# Altium PCB ROBOT_MOTHERBOARD.PcbDoc (part 2 of 2)
Units mil, origin at the board's own origin, x right, y up, seen from the top; angles counter-clockwise.
Board outline 4835 x 2350.29 mil, 4 copper layers (SIG1, GND, PWR, SIG2), stack 23.756 mil thick; 101 components, 56 nets, 379 pads, 652 vias.
Unrouted connection lines stored in the file: 10.
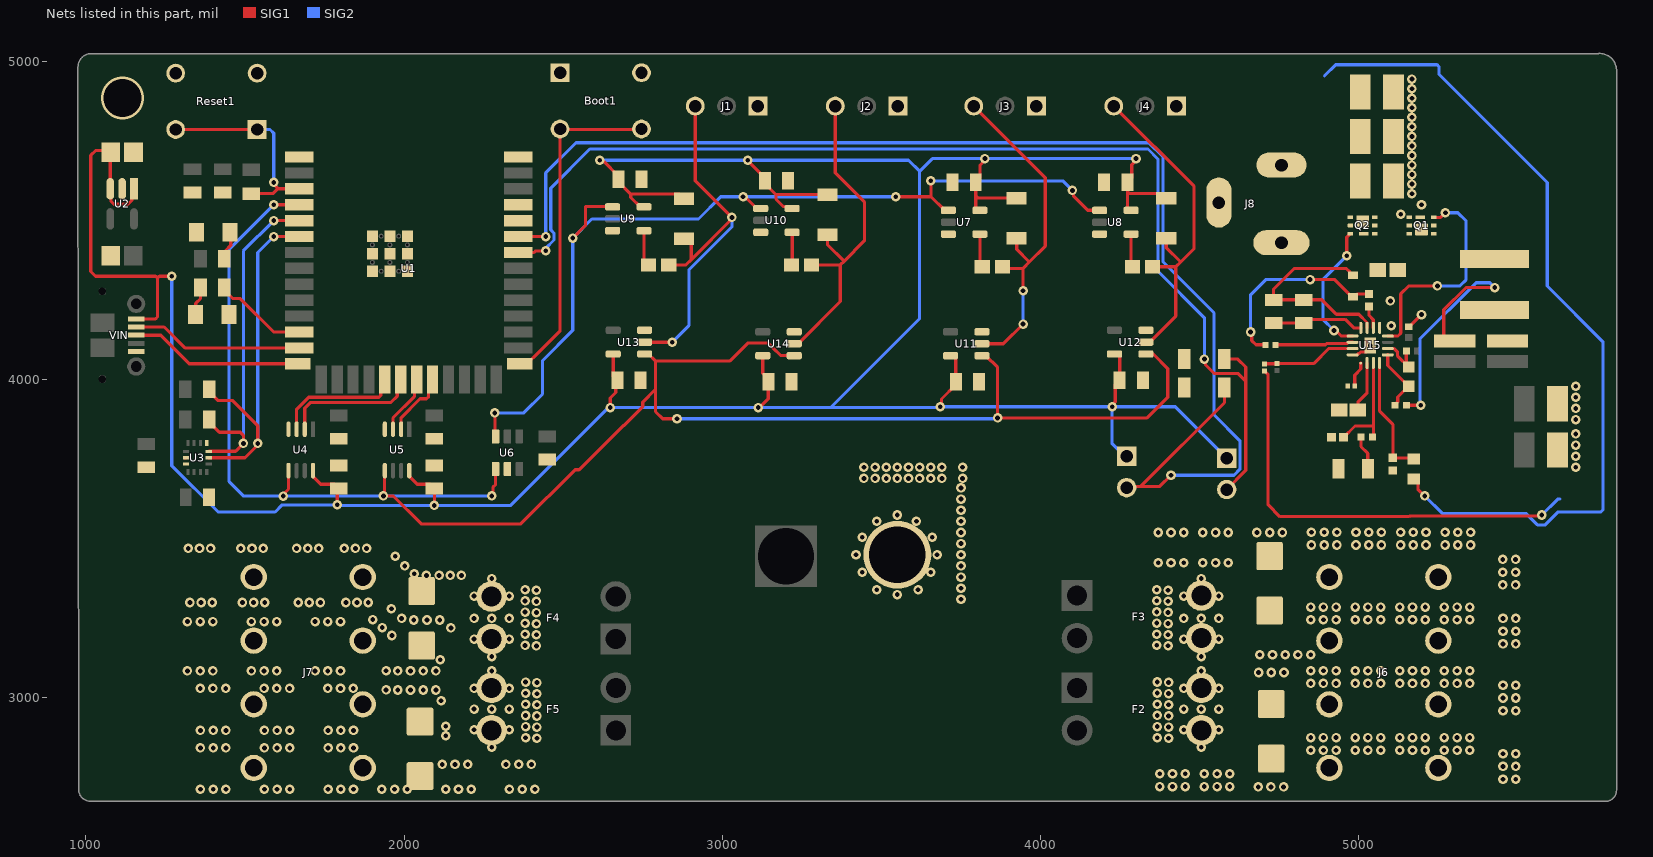
[diagram p4: the nets of this part, all layers, seen from the top]

## Via types
v1: diameter 30, hole 15, SIG1 to SIG2, 594 vias
v2: diameter 50, hole 28, SIG1 to SIG2, 54 vias
v3: diameter 135, hole 120, SIG1 to SIG2, 4 vias

## Nets (pads, with @x,y where several pads share a name; then routed paths per layer and width w, separated by ;. In a path a pad name is that pad's centre, name@x,y a point inside that pad or via, vN(x,y) a via of type N, cw(c..) or ccw(c..) an arc to the next point about the centre after c; other vN are vias at no path point) (continued)
11V1_F2: D2.1 F2.2 J6.1_1 J6.1_2
  other v1: 4683.88,2720.51 4723.88,2720.51 4763.88,2720.51 4374.64,2721.62 4414.64,2721.62 4454.64,2721.62 4514.64,2721.62 4554.64,2721.62 4594.64,2721.62 5453.32,2744.8 5493.32,2744.8 4374.64,2761.62 4414.64,2761.62 4454.64,2761.62 4514.64,2761.62 4554.64,2761.62 4594.64,2761.62 5453.32,2784.8 5493.32,2784.8 5453.32,2824.8 5493.32,2824.8 4848.88,2835.51 4888.88,2835.51 4928.88,2835.51 4988.88,2835.51 5028.88,2835.51 5068.88,2835.51 5128.88,2835.51 5168.88,2835.51 5208.88,2835.51 5268.88,2835.51 5308.88,2835.51 5348.88,2835.51 4505,2845 4402.24,2873.63 4366.54,2875.18 4848.88,2875.51 4888.88,2875.51 4928.88,2875.51 4988.88,2875.51 5028.88,2875.51 5068.88,2875.51 5128.88,2875.51 5168.88,2875.51 5208.88,2875.51 5268.88,2875.51 5308.88,2875.51 5348.88,2875.51 4450,2900 4560,2900 4402.24,2908.63 4366.54,2910.18 4402.24,2943.63 4366.54,2945.18 4450,2965 4505,2965 4560,2965 4402.24,2978.63 4366.54,2980.18 4402.24,3013.63 4366.54,3015.18 4450,3030 4560,3030 4402.24,3048.63 4366.54,3050.18 4505,3085
11V1_F3: D3.1 F3.2 J6.3_1 J6.3_2
  other v1: 4505,3130 4688.88,3135.51 4728.88,3135.51 4768.88,3135.51 4808.88,3135.51 4848.88,3135.51 4400.7,3163.76 4365,3165.32 5453.32,3169.8 5493.32,3169.8 4450,3185 4560,3185 4400.7,3198.76 4365,3200.32 5453.32,3209.8 5493.32,3209.8 4400.7,3233.76 4365,3235.32 4848.88,3245.51 4888.88,3245.51 4928.88,3245.51 4988.88,3245.51 5028.88,3245.51 5068.88,3245.51 5128.88,3245.51 5168.88,3245.51 5208.88,3245.51 5268.88,3245.51 5308.88,3245.51 5348.88,3245.51 4450,3250 4505,3250 4560,3250 5453.32,3249.8 5493.32,3249.8 4400.7,3268.76 4365,3270.32 4848.88,3285.51 4888.88,3285.51 4928.88,3285.51 4988.88,3285.51 5028.88,3285.51 5068.88,3285.51 5128.88,3285.51 5168.88,3285.51 5208.88,3285.51 5268.88,3285.51 5308.88,3285.51 5348.88,3285.51 4400.7,3303.76 4365,3305.32 4450,3320 4560,3320 4400.7,3338.76 4365,3340.32 4505,3375
11V1_F4: D4.1 F4.2 J7.1_1 J7.1_2
  other v1: 2275,3130 2415.7,3163.45 2380,3165 2220,3185 2330,3185 2415.7,3198.45 2380,3200 2146.93,3220 2415.7,3233.45 2380,3235 2030,3245 2071.93,3245 2111.93,3245 1991.93,3250 2220,3250 2275,3250 2330,3250 2415.7,3268.45 2380,3270 1960,3280 1326.93,3300 1361.93,3300 1396.93,3300 1491.93,3300 1526.93,3300 1561.93,3300 1666.93,3300 1701.93,3300 1736.93,3300 1816.93,3300 1851.93,3300 1886.93,3300 2415.7,3303.45 2380,3305 2220,3320 2330,3320 2415.7,3338.45 2380,3340 2275,3375 2070,3385 2110,3385 2145,3385 2180,3385 2031.93,3390 2001.93,3415 1971.93,3445 1321.93,3470 1356.93,3470 1391.93,3470 1486.93,3470 1521.93,3470 1556.93,3470 1661.93,3470 1696.93,3470 1731.93,3470 1811.93,3470 1846.93,3470 1881.93,3470
11V1_F5: D5.1 F5.2 J7.3_1 J7.3_2
  other v1: 2275,2845 2417.24,2873.32 2381.54,2874.87 2131.08,2880.96 1360,2897.8 1400,2897.8 1440,2897.8 1560.88,2897.94 1600.88,2897.94 1640.88,2897.94 1760.88,2897.94 1800.88,2897.94 1840.88,2897.94 2220,2900 2330,2900 2417.24,2908.32 2381.54,2909.87 2131.08,2910.96 2417.24,2943.32 2381.54,2944.87 2220,2965 2275,2965 2330,2965 2417.24,2978.32 2381.54,2979.87 2116.08,2990.96 2417.24,3013.32 2381.54,3014.87 1943.19,3025.19 1980,3025 2020,3025 2060,3025 2100,3025 1359.11,3029.86 1399.11,3029.86 1439.11,3029.86 1560,3030 1600,3030 1640,3030 1760,3030 1800,3030 1840,3030 2220,3030 2330,3030 2417.24,3048.32 2381.54,3049.87 2275,3085
19V: Cout1.1 Cout2.1 Cout3.1 J8.1 Q2.1 Q2.2 Q2.5 Q2.6 Q2.8 Rfbt.2 | length 2668.8
  SIG1 w10: Rfbt.2@5172.17,3688.23 5173.24,3688.23 5185.95,3675.51 5185.95,3655.94 v1(5207.17,3634.72)
  SIG2 w10: 4892.4,4954.96 4927.17,4989.72 5246.31,4989.72 5252.17,4983.87 5252.17,4959.72 5592.17,4619.72 5592.17,4294.72 5767.17,4119.72 5767.17,3590.58 5761.31,3584.72 5627.17,3584.72 5586.26,3543.82 5561.18,3543.82 5525,3580 5261.89,3580 v1(5207.17,3634.72)
+5: C3.2 C7.1 C8.1 C9.1 C10.1 C11.1 C12.1 C13.1 C14.1 C16.1 C18.1 J9.1 J10.1 R7.2 R9.2 R11.2 R13.2 U2.1 U2.3 U4.8 U5.8 U7.5 U8.5 U9.5 U10.5 U11.5 U12.5 U13.5 U14.5 VIN.1 | length 10580.6
  SIG1 w10: C3.2@1076.34,4715 U2.3@1076.34,4600 1078.74,4597.6 1078.74,4560.86 1088.2,4551.4 1132.09,4551.4 1144.02,4563.33 1144.02,4592.88 U2.1@1151.14,4600 ; C3.2@1078.31,4715 1068.31,4725 1063.31,4720 1030,4720 1015,4705 1015,4340 1030,4325 1219.14,4325 1225,4319.14 ; VIN.1@1168.15,4191.18 1219.14,4191.18 1225,4197.04 1225,4319.14 ; v1(1270,4325) 1230.86,4325 1225,4319.14 ; U4.8@1713.39,3714.42 1713.39,3696.34 1738.05,3671.68 1781.3,3671.68 C16.1@1795,3657.98 1790,3652.98 v1(1790,3606.81) ; U5.8@2016.18,3714.4 2016.18,3696.32 2040.82,3671.68 2081.3,3671.68 2100,3652.98 2095,3647.98 v1(2095,3605) ; v1(2615,4690) 2618.83,4686.17 2627.02,4686.17 2673.58,4639.61 C9.1@2673.58,4630.75 2673.58,4621.89 2712.05,4583.43 ; v1(2647.5,3912.5) 2647.5,3942.5 2665,3960 2665,3993.11 C13.1@2670.08,3998.19 2657.09,4011.18 U13.5@2657.09,4080.79 ; U9.5@2753.82,4543.15 2741.61,4543.15 2712.05,4572.72 2712.05,4583.43 ; R11.2@2880,4568.74 2865.31,4583.43 2712.05,4583.43 ; v1(3080,4690) 3080,4688.19 3133.58,4634.61 C10.1@3133.58,4625.75 3133.58,4616.89 3168.74,4581.73 ; v1(3112.5,3912.5) 3116.59,3912.5 3144.09,3940 3144.09,3992.2 C14.1@3145.08,3993.19 3145.08,4002.05 3127.09,4020.04 U14.5@3127.09,4075.79 ; U10.5@3219.41,4538.15 3213.36,4544.2 3192.22,4544.2 3168.74,4567.68 3168.74,4581.73 ; R13.2@3330,4581.73 3168.74,4581.73 ; v1(3685,3915) 3688.83,3918.83 3688.83,3939.5 3733.66,3984.33 C11.1@3733.66,3993.19 3733.66,4069.23 3727.11,4075.79 U11.5@3717.09,4075.79 ; U7.5@3809.41,4532.4 3802.97,4532.4 3796.42,4538.95 3796.42,4578.66 ; v1(3825,4695) 3825,4689.59 3810.12,4674.71 3810.12,4633.7 C7.1@3796.42,4620 3796.42,4578.66 ; R7.2@3925,4570.98 3804.09,4570.98 3796.42,4578.66 ; v1(4225,3915) 4225,3920.41 4234.96,3930.37 4234.96,3984.49 C12.1@4248.66,3998.19 4248.66,4074.23 4242.11,4080.79 U12.5@4232.09,4080.79 ; U8.5@4284.41,4532.4 4279.39,4532.4 4272.83,4538.95 4272.83,4591.46 ; v1(4300,4695) 4300,4689.59 4286.54,4676.12 4286.54,4633.7 C8.1@4272.83,4620 4272.83,4591.46 ; R9.2@4395,4570.98 4380.31,4585.67 4278.62,4585.67 4272.83,4591.46
  SIG2 w10: v1(1270,4325) 1270,3729.68 1415.29,3584.4 1594.64,3584.4 1617.05,3606.81 v1(1790,3606.81) ; v1@1790,3605 v1(2095,3605) 2335,3605 2645,3915 v1(2647.5,3912.5) v1(3112.5,3912.5) 3340,3912.5 ; v1(2615,4690) v1(3080,4690) 3585,4690 3620,4655 ; J10.1@4270,3753.43 4225,3798.43 v1(4225,3915) ; v1(4300,4695) v1(3825,4695) 3660,4695 3620,4655 ; J9.1@4585,3753.43 4423.43,3915 v1(4225,3915) ; 3340,3912.5 3685,3912.5 3687.5,3915 v1(4225,3915) ; 3340,3912.5 3620,4192.5 3620,4655
Blink: R3.1 U1.12 | length 297.6
  SIG1 w10: R3.1@1435,4290 1435,4282.09 1462.09,4255 1485,4255 1590,4150 U1.12@1670,4150
Boot: Cboot1.2 Cboot2.2 Dboot.C U15.11 | length 661.9
  SIG1 w10: Dboot.C@4982.17,4328.19 4978.23,4328.19 4971.42,4335 4971.42,4338.94 4960.63,4349.72 4797.17,4349.72 4732.17,4284.72 Cboot1.2@4732.17,4251.14 Cboot2.2@4827.17,4251.14 4884.07,4251.14 4929.59,4205.63 5000.07,4205.63 5025.88,4179.82 5025.88,4163.29 U15.11@5026.17,4163
COMP: Ccomp2.1 Rcomp.2 U15.3 | length 342.5
  SIG1 w10: Ccomp2.1@4952.17,3819.72 4953.01,3819.72 4988.01,3854.72 5045.85,3854.72 ; Rcomp.2@5042.77,3819.72 5045.85,3822.81 5045.85,3854.72 ; U15.3@5045.85,4052.72 5045.85,3854.72
D+: U1.14 VIN.3 | length 534.6
  SIG1 w10: VIN.3@1168.15,4140 1235,4140 1325,4050 U1.14@1665.49,4050
D-: U1.13 VIN.2 | length 529
  SIG1 w10: VIN.2@1168.15,4165.59 1245.6,4165.59 1311.19,4100 U1.13@1670,4100
FB: Rfbb.1 Rfbt.1 U15.4 | length 381
  SIG1 w10: U15.4@5065.54,4052.72 5065.54,3901.35 5107.17,3859.72 Rfbb.1@5107.17,3754.49 5165.9,3754.49 Rfbt.1@5170.67,3749.72
GND: BLINK.2 Boot1.1 Boot1.2 C1.2 C2.2 C3.1 C4.1 C5.2 C6.1 C7.2 C8.2 C9.2 C10.2 C11.2 C12.2 C13.2 C14.2 C15.2 C16.2 C17.2 C18.2 C19.2 Ccomp1.2 Ccomp2.2 Cin1.2 Cin2.2 Cout1.2 Cout2.2 Cout3.2 Css.1 Cvcc.2 Cvin.1 D2.2 D3.2 D4.2 D5.2 J1.1 J2.1 J3.1 J4.1 J5.N J6.2_1 J6.2_2 J6.4_1 J6.4_2 J7.2_1 J7.2_2 J7.4_1 J7.4_2 J8.2 J8.3 PWR.2 Q1.4 Q1.7 R14.2 R15.2 Reset1.3 Reset1.4 Rfbb.2 Rt.1 Ruvlo2.1 U1.1 U1.40 U1.41_1 U1.41_2 U1.41_3 U1.41_4 U1.41_5 U1.41_6 U1.41_7 U1.41_8 U1.41_9 U2.2 U3.1 U3.6 U3.7 U4.4 U5.4 U6.2 U7.3 U8.3 U9.3 U10.3 U11.3 U12.3 U13.3 U14.3 U15.9 U15.16 U15.17 VIN.5 | length 1499.3
  SIG1 w10: U3.6@1309.5,3755 U3.6@1314,3755 ; Ruvlo2.1@4703.46,4027.6 4703.86,4027.6 4706.34,4025.12 4706.34,4024.72 4715,4016.06 4715,3606.89 4752.17,3569.72 5158.24,3569.72 5160.26,3571.75 5571.75,3571.75 v1(5575,3575) ; U15.16@4994.71,4078.63 4998.49,4082.41 5000.96,4082.41 5001.03,4082.47 5001.54,4082.47 5006.34,4087.27 5023.29,4087.27 5036.01,4099.99 v1(5036.01,4107.86) ; Cvin.1@5157.17,4166.73 5158.35,4166.73 5196.34,4204.72 v1(5197.17,4204.72)
  SIG2 w10: v1(5575,3575) 5624.72,3624.72 5632.17,3624.72
  other v1: 1360,2712.8 1400,2712.8 1440,2712.8 1560.88,2712.94 1600.88,2712.94 1640.88,2712.94 1760.88,2712.94 1800.88,2712.94 1840.88,2712.94 1930,2712.8 1970,2712.8 2010,2712.8 2130.88,2712.94 2170.88,2712.94 2210.88,2712.94 2330.88,2712.94 2370.88,2712.94 2410.88,2712.94 2119.85,2791 2159.85,2791 2199.85,2791 2319.85,2791 2359.85,2791 2399.85,2791 1360,2842.8 1400,2842.8 1440,2842.8 1560.88,2842.94 1600.88,2842.94 1640.88,2842.94 1760.88,2842.94 1800.88,2842.94 1840.88,2842.94 5453.32,2959.8 5493.32,2959.8 5453.32,2999.8 5493.32,2999.8 5453.32,3039.8 5493.32,3039.8 4848.88,3045.51 4888.88,3045.51 4928.88,3045.51 4988.88,3045.51 5028.88,3045.51 5068.88,3045.51 5128.88,3045.51 5168.88,3045.51 5208.88,3045.51 5268.88,3045.51 5308.88,3045.51 5348.88,3045.51 4685,3080 4725,3080 4765,3080 1319.11,3084.86 1359.11,3084.86 1399.11,3084.86 1520,3085 1560,3085 1600,3085 1720,3085 1760,3085 1800,3085 1943.19,3085.19 1980,3085 2020,3085 2060,3085 2100,3085 4848.88,3085.51 4888.88,3085.51 4928.88,3085.51 4988.88,3085.51 5028.88,3085.51 5068.88,3085.51 5128.88,3085.51 5168.88,3085.51 5208.88,3085.51 5268.88,3085.51 5308.88,3085.51 5348.88,3085.51 2113.19,3120.19 1961.47,3196.24 1931.47,3221.24 1319.11,3239.86 1359.11,3239.86 1399.11,3239.86 1520,3240 1560,3240 1600,3240 1720,3240 1760,3240 1800,3240 1901.47,3246.24 3750,3310 3550,3325 3485,3340 3615,3340 3750,3345 5452.8,3355.23 5492.8,3355.23 3750,3380 3440,3395 3655,3395 5452.8,3395.23 5492.8,3395.23 3750,3415 4370,3425 4410,3425 4450,3425 4510,3425 4550,3425 4590,3425 5452.8,3435.23 5492.8,3435.23 3420,3450 3675,3450 3750,3450 4851.29,3480.69 4891.29,3480.69 4931.29,3480.69 4991.29,3480.69 5031.29,3480.69 5071.29,3480.69 5131.29,3480.69 5171.29,3480.69 5211.29,3480.69 5271.29,3480.69 5311.29,3480.69 5351.29,3480.69 3750,3485 3440,3505 3660,3505 3750,3520 4370,3520 4410,3520 4450,3520 4510,3520 4550,3520 4590,3520 4680,3520 4720,3520 4760,3520 4851.29,3520.69 4891.29,3520.69 4931.29,3520.69 4991.29,3520.69 5031.29,3520.69 5071.29,3520.69 5131.29,3520.69 5171.29,3520.69 5211.29,3520.69 5271.29,3520.69 5311.29,3520.69 5351.29,3520.69 3485,3555 3610,3555 3750,3555 3550,3575 3750,3590 3750,3625 3750,3660 3445,3690 3480,3690 3515,3690 3550,3690 3585,3690 3620,3690 3655,3690 3690,3690 3755,3690 3445,3725 3480,3725 3515,3725 3550,3725 3585,3725 3620,3725 3655,3725 3690,3725 3755,3725 5682.17,3724.72 5682.17,3759.72 5682.17,3794.72 5682.17,3829.72 5682.17,3874.72 5682.17,3909.72 5682.17,3944.72 5682.17,3979.72 5102.17,4169.72 5099.3,4247.59 5132.17,4519.72 5197.17,4549.72 5167.17,4584.72 5167.17,4614.72 5167.17,4644.72 5167.17,4674.72 5167.17,4704.72 5167.17,4734.72 5167.17,4764.72 5167.17,4794.72 5167.17,4824.72 5167.17,4854.72 5167.17,4884.72 5167.17,4914.72 5167.17,4944.72
  other v3: 1115,4885
GPIO4: U1.4 U4.5 U5.5 U6.1 U11.1 U12.1 U13.1 U14.1 | length 5918
  SIG1 w10: v1(1590,4550) U1.4@1670,4550 ; v1(1620,3634.4) 1620,3639.81 1636.61,3656.42 U4.5@1636.61,3714.42 ; U5.5@1939.41,3714.4 1938.79,3713.78 1938.79,3638.79 v1(1935,3635) 1938.79,3635 1965,3635 2053.19,3546.81 2366.81,3546.81 2537.28,3717.28 2549.79,3717.28 2688.41,3855.91 2690.23,3855.91 2749.81,3915.48 2749.81,3929.81 2790,3970 ; v1(2275,3635) 2278.83,3638.83 2278.83,3661.54 2287.28,3670 U6.1@2287.28,3719.63 ; U13.1@2755.91,4080.79 2768.11,4080.79 2789.57,4059.33 ; v1(2857.5,3877.5) 2812.5,3877.5 2790,3900 2790,3970 ; U14.1@3225.91,4075.79 3184.29,4075.79 3170.08,4090 3170,4090 3145,4115 3080,4115 3024.33,4059.33 2789.57,4059.33 ; U11.1@3815.91,4075.79 3828.11,4075.79 3865,4038.9 v1(3865,3880) 4335,3880 4400,3945 4400,4035 4355,4080 4331.69,4080 U12.1@4330.91,4080.79 ; 2789.57,4059.33 2789.57,4051.26 2790,4050.83 2790,3970
  SIG2 w10: v1(1590,4550) 1450,4410 1450,3680 1495.6,3634.4 v1(1620,3634.4) 1620.3,3634.7 1934.7,3634.7 v1(1935,3635) v1(2275,3635) ; v1(2857.5,3877.5) v1@3872.5,3877.5
GPIO34: J9.2 R14.1 U1.34 | length 3616.2
  SIG1 w10: U1.34@2358.98,4400 2408.48,4400 2413.48,4405 v1(2445,4405) ; v1(4515,4065) 4518.71,4061.29 4518.71,4046.29 4545,4020 4620,4020 4645,3995 ; R14.1@4577.99,4065 4620,4065 4645,4040 4645,3995 ; J9.2@4585,3655 4645,3715 4645,3995
  SIG2 w10: v1(2445,4405) 2445,4413.36 2470.91,4439.27 2470.91,4460.73 2460.91,4470.73 2460.91,4602.27 2583.64,4725 4337.51,4725 4369.09,4693.41 4369.09,4340.91 4515,4195 v1(4515,4065)
GPIO35: J10.2 R15.1 U1.35 | length 4167.6
  SIG1 w10: U1.35@2358.98,4450 v1(2445,4450) ; J10.2@4270,3655 4279.76,3664.76 4314.76,3664.76 ; v1(4410,3700) 4374.76,3664.76 4314.76,3664.76 ; R15.1@4577.99,3975 4577.99,3927.99 4314.76,3664.76
  SIG2 w10: v1(2445,4450) 2445,4650 2540,4745 4340,4745 4385,4700 4385,4370 4545,4210 4545,3890 4626.42,3808.58 4626.42,3718.4 4608.02,3700 v1(4410,3700)
HDRV: Q2.3 U15.13 | length 422.4
  SIG1 w10: v1(4922.17,4154.72) 4927.58,4154.72 4944.91,4137.39 U15.13@4980.87,4137.39 ; v1(4962.17,4389.72) 4962.17,4447.52 4969.92,4455.28 4969.92,4458.23 4970.83,4459.13 Q2.3@4973.78,4459.13
  SIG2 w10: v1(4922.17,4154.72) 4887.17,4189.72 4887.17,4314.72 v1(4962.17,4389.72)
INV-GPIO4: U6.6 U7.1 U8.1 U9.1 U10.1 | length 2930.9
  SIG1 w10: v1(2284.68,3895.81) 2285.98,3894.51 2285.98,3823.29 U6.6@2287.28,3821.99 ; v1(2530,4445) 2570,4485 2570,4544.07 2654.07,4544.07 U9.1@2655,4543.15 ; v1(3065,4575) 3068.83,4571.17 3075.36,4571.17 3108.39,4538.15 U10.1@3120.59,4538.15 ; v1(3545,4575) 3655.79,4575 ; v1(3655,4625) 3655.79,4624.21 3655.79,4575 ; U7.1@3710.59,4532.4 3698.39,4532.4 3655.79,4575 ; v1(4100,4595) 4103.83,4591.17 4103.83,4576.57 4147.99,4532.4 U8.1@4185.59,4532.4
  SIG2 w10: v1(2284.68,3895.81) 2375.81,3895.81 2435,3955 2435,4060 2530,4155 v1(2530,4445) 2590,4505 2925,4505 2995,4575 v1(3065,4575) v1(3545,4575) ; v1(3655,4625) 4070,4625 v1(4100,4595)
ISNS+: Csns.1 Risns+.2 U15.6 | length 139.3
  SIG1 w10: U15.6@5091.15,4098.02 5091.44,4097.73 5111.17,4097.73 5122.17,4086.73 5122.17,4074.25 Csns.1@5156.38,4040.04 ; Csns.1@5149.45,4046.97 Risns+.2@5149.45,4089.72
ISNS-: Csns.2 Risns-.1 U15.5 | length 203.5
  SIG1 w10: U15.5@5091.15,4078.34 5091.15,4044.64 Csns.2@5156.38,3979.41 ; Risns-.1@5112.76,3920.75 5122.56,3930.55 5122.56,3945.59 Csns.2@5156.38,3979.41 ; Csns.2@5157.17,3979.41 Csns.2@5156.38,3979.41
LDRV: Q1.3 U15.8 | length 694.2
  SIG1 w10: U15.8@5091.15,4137.39 5123.18,4137.39 5132.17,4146.38 5132.17,4269.72 5157.17,4294.72 v1(5247.17,4294.72) ; Q1.3@5235.55,4510.31 5257.07,4510.31 5271.48,4524.72 v1(5272.17,4524.72)
  SIG2 w10: v1(5247.17,4294.72) 5317.17,4294.72 5337.17,4314.72 5337.17,4498.87 5311.31,4524.72 v1(5272.17,4524.72)
NetBLINK_1: BLINK.1 R3.2 | length 91.8
  SIG1 w10: BLINK.1@1343.7,4205 1345,4206.3 1345,4240 1360,4255 1360,4289.87 R3.2@1360.13,4290
NetBoot1_3: Boot1.3 Boot1.4 U1.27 | length 1059.7
  SIG1 w10: U1.27@2363.49,4050 2385.77,4050 2406.47,4070.7 2407.31,4070.7 2490,4153.38 Boot1.3@2490,4787.83 ; Boot1.3@2507.05,4786.42 Boot1.4@2762.95,4786.42
NetCcomp1_1: Ccomp1.1 Rcomp.1 | length 108.8
  SIG1 w10: Rcomp.1@5007.17,3819.72 5007.17,3789.72 5028.43,3768.46 Ccomp1.1@5028.43,3719.72
NetCvcc_1: Cvcc.1 Dboot.A Rpg.1 Rvcc.2 | length 607.4
  SIG1 w10: v1(4660,4150) 4663.83,4146.17 4663.83,4123.06 4677.17,4109.72 Rpg.1@4706.33,4109.72 ; v1(4847.17,4314.72) 4924.76,4314.72 4978.23,4261.26 Dboot.A@4982.17,4261.26 ; Dboot.A@4986.1,4261.26 4994.25,4269.41 Rvcc.2@5032.17,4269.41
  SIG2 w10: v1(4660,4150) 4660,4267.56 4707.17,4314.72 v1(4847.17,4314.72)
NetL1_1: L1.1 Risns-.2 Rsns1.2 Rsns2.2 | length 871.4
  SIG1 w10: Risns-.2@5149.88,3919.72 v1(5194.88,3919.72) ; Rsns2.2@5292.17,4122.2 5282.83,4122.2 5267.17,4137.87 5267.17,4219.72 5337.17,4289.72 v1(5427.17,4289.72)
  SIG2 w10: v1(5194.88,3919.72) 5192.17,3922.44 5192.17,4128.09 5369.08,4305 5411.89,4305 v1(5427.17,4289.72)
NetPWR_1: PWR.1 R2.2 | length 92.4
  SIG1 w10: R2.2@1435,4380 1436.93,4381.93 1436.93,4404.61 1455,4422.67 1455,4462.01 PWR.1@1453.5,4463.5
NetR1_2: R1.2 Reset1.1 Reset1.2 U1.3 | length 649.2
  SIG1 w10: Reset1.2@1282.05,4786.42 Reset1.1@1537.95,4786.42 ; R1.2@1520,4585 1587.71,4585 1602.71,4600 ; v1(1590,4620) 1590,4614.59 1602.71,4601.88 1602.71,4600 ; U1.3@1670,4600 1602.71,4600
  SIG2 w10: Reset1.1@1537.95,4786.42 1578.58,4786.42 1590,4775 v1(1590,4620)
NetR6_1: R6.1 U7.4 | length 105.7
  SIG1 w10: U7.4@3809.41,4457.6 3809.41,4362.51 R6.1@3816.92,4355
NetR8_1: R8.1 U8.4 | length 104.3
  SIG1 w10: U8.4@4284.41,4457.6 4284.41,4359.05 R8.1@4288.46,4355
NetR10_1: R10.1 U9.4 | length 113.7
  SIG1 w10: U9.4@2753.82,4468.35 2753.82,4375.39 R10.1@2768.46,4360.75
NetR12_1: R12.1 U10.4 | length 103.6
  SIG1 w10: R12.1@3216.92,4360.75 3219.41,4363.23 U10.4@3219.41,4463.35
NetRpg_2: Rpg.2 U15.14 | length 242.3
  SIG1 w10: Rpg.2@4741.85,4109.72 4894.67,4109.72 4898.88,4113.93 4963.54,4113.93 4967.32,4117.71 U15.14@4980.87,4117.71
NetRuvlo1_1: Ruvlo1.1 Ruvlo2.2 U15.15 | length 297.4
  SIG1 w10: Ruvlo2.2@4703.46,4049.72 4704,4050.26 4742.93,4050.26 Ruvlo1.1@4743.46,4050.79 4858.23,4050.79 4905.46,4098.02 U15.15@4980.87,4098.02
RT/CLK: Rt.2 U15.1 | length 80.5
  SIG1 w10: Rt.2@4987.17,3979.72 4987.17,4014.57 5006.48,4033.88 U15.1@5006.48,4052.23
RX: U1.36
RX1: U1.19 U4.3 | length 400.7
  SIG1 w10: U4.3@1662.2,3844.37 1662.2,3907.2 1700,3945 1920.91,3945 1926.77,3950.86 1926.77,3988.07 U1.19@1939.49,4000.79
RX2: U1.21 U5.3 | length 187.3
  SIG1 w10: U5.3@1965,3844.35 1965,3880 2032.15,3947.15 2032.15,3993.44 U1.21@2039.49,4000.79
SCL: R4.2 U1.6 U3.13 | length 1186.1
  SIG1 w10: U3.13@1386,3755 1500,3755 1540,3795 1540,3855 1460,3935 1414.53,3935 1387.44,3962.09 R4.2@1387.44,3970 ; v1(1590,4450) U1.6@1670,4450
  SIG2 w10: v1(1540,3800) 1540,4400 v1(1590,4450)
SDA: R5.2 U1.5 U3.14 | length 1096.6
  SIG1 w10: U3.14@1386.32,3775 1470.5,3775 1495,3799.5 1495,3825 1485,3835 1419.53,3835 1387.44,3867.09 R5.2@1387.44,3875 ; v1(1590,4500) U1.5@1670,4500
  SIG2 w10: v1(1495,3800) 1495,4405 v1(1590,4500)
SIG1A: J3.3 R6.2 R7.1 U11.2 | length 1125.5
  SIG1 w10: J3.3@3790,4860 4015,4635 4015,4420 3965,4370 ; U11.2@3815.91,4113.19 3883.19,4113.19 v1(3945,4175) ; R6.2@3880,4355 3885,4350 3945,4350 ; R7.1@3925,4445 3925,4410 3965,4370 ; v1@3945,4275 3945,4350 ; 3945,4350 3965,4370
  SIG2 w10: v1(3945,4175) v1(3945,4280)
SIG1B: J4.3 R8.2 R9.1 U12.2 | length 1083.4
  SIG1 w10: J4.3@4230,4860 4482.5,4607.5 4482.5,4412.5 4440,4370 ; U12.2@4330.91,4118.19 4343.11,4118.19 4425,4200.08 4425,4355 ; R8.2@4351.54,4355 4425,4355 ; R9.1@4395,4445 4395,4415 4440,4370 ; 4425,4355 4440,4370
SIG2A: J1.3 R10.2 R11.1 U13.2 | length 1294.3
  SIG1 w10: U13.2@2755.91,4118.19 2756.25,4117.84 2842.16,4117.84 v1(2842.5,4117.5) ; R10.2@2831.54,4360.75 2885.75,4360.75 2902.5,4377.5 ; R11.1@2880,4442.76 2887.81,4442.76 2902.5,4428.07 2902.5,4377.5 ; J1.3@2915,4860 2915,4625 v1(3030,4510) ; v1@3031.57,4506.57 2902.5,4377.5
  SIG2 w10: v1(2842.5,4117.5) 2895,4170 2895,4345 3030,4480 v1(3030,4510)
SIG2B: J2.3 R12.2 R13.1 U14.2 | length 1078.8
  SIG1 w10: U14.2@3225.91,4113.19 3238.11,4113.19 3370.75,4245.83 3370.75,4360.75 ; R12.2@3280,4360.75 3370.75,4360.75 ; R13.1@3330,4455.75 3330,4425 3382.5,4372.5 ; J2.3@3355,4860 3355,4650 3446.25,4558.75 3446.25,4436.25 3382.5,4372.5 ; 3370.75,4360.75 3382.5,4372.5
SS: Css.2 U15.2 | length 160
  SIG1 w10: Css.2@4997.17,3904.72 4997.17,3929.72 5026.17,3958.73 U15.2@5026.17,4052.72
SW: Cboot1.1 Cboot2.1 L1.2 Q1.1 Q1.2 Q1.5 Q1.6 Q1.8 Q2.4 Q2.7 U15.12 | length 290.1
  SIG1 w10: Cboot1.1@4732.17,4178.31 Cboot2.1@4827.17,4178.31 4838.58,4189.72 4957.17,4189.72 4983.89,4163 U15.12@5006.48,4163
TX: U1.37
TX1: U1.20 U4.2 | length 429.3
  SIG1 w10: U4.2@1687.8,3844.37 1687.8,3910.3 1706.25,3928.75 1958.75,3928.75 1978.42,3948.42 1978.42,3989.72 U1.20@1989.49,4000.79
TX2: U1.22 U5.2 | length 209.1
  SIG1 w10: U5.2@1990.59,3844.35 1990.59,3880.59 2050,3940 2070,3940 2076.77,3946.77 2076.77,3988.07 U1.22@2089.49,4000.79
Vcc: Rvcc.1 U15.10 | length 72.7
  SIG1 w10: Rvcc.1@5032.17,4230.04 5032.17,4202.24 5045.56,4188.85 5045.56,4163.29 U15.10@5045.85,4163
pads on no net: J1.2 J2.2 J3.2 J4.2 U1.7 U1.8 U1.9 U1.10 U1.11 U1.15 U1.16 U1.17 U1.18 U1.23 U1.24 U1.25 U1.26 U1.28 U1.29 U1.30 U1.31 U1.32 U1.33 U1.38 U1.39 U1.41_10 U1.41_11 U1.41_12 U1.41_13 U1.41_14 U1.41_15 U1.41_16 U1.41_17 U1.41_20 U1.41_21 U2.4 U3.2 U3.3 U3.4 U3.9 U3.10 U3.11 U6.3 U6.4 VIN.4 VIN.6 VIN.7 VIN.8 VIN.9 VIN.10 VIN.11
copper on no net:
  other v3: 1115,2815 5670,2815 5670,4885

## Polygon pours and split planes (outlines as drawn)
GND on SIG1 "GND_L01_P040" (solid, pour order 40): 994.99,3535 1970,3535 2055,3450 2385,3450 2735,3800 2725,5005 2398.62,5005 2398.3,5004.68 2398.3,4733.32 1631.68,4733.32 1630,4735 1630,5004.09 999.99,5004.09 993.82,4997.93
GND on SIG1 "GND_L01_P044" (solid, pour order 44): 2733.88,3798.88 2735,3800 4640,3800 4640,5005 2725,5005
11V1+ on SIG1 "11V1+_L01_P042" (solid, pour order 42): 2969.37,3754.92 2744.92,3754.92 2480,3490 2549.39,3420.61 2970.71,3420.61
11V1+ on SIG1 "11V1+_L01_P015" (solid, pour order 15): 3365,3755 3365,3255 3810,3255 3810,3540 4235,3540 4235,2690 2545,2690 2545,3569.72 2791.18,3569.72 2970,3569.72 2970,3755
11V1_F2 on SIG1 "11V1_F2_L01_P032" (solid, pour order 32): 4335,3114.86 4335,2695 5530,2695 5530,2900 4630.2,2900 4630.2,3114.77 4631.46,3116.02
GND on SIG1 "GND_L01_P031" (solid, pour order 31): 4630.2,3101.64 4630.2,2915.2 4630.2,2900 5530,2900 5530,3105 5525,3110 4640,3110
GND on SIG1 "GND_L01_P029" (solid, pour order 29): 4335,3390 4372.12,3390 4745,3390 4825,3310 5525,3310 5525,3540 4335,3540
11V1_F3 on SIG1 "11V1_F3_L01_P028" (solid, pour order 28): 4335,3390 4335,3110 4375,3110 5525,3110 5525,3310 4825,3310 4745,3390
GND on SIG1 "GND_L01_P016" (solid, pour order 16): 3395,3285 3395,3755 3780,3755 3780,3285
GND on SIG1 "GND_L01_P020" (solid, pour order 20): 1250,2875 1250,2695 2445,2695 2445,2826.02 2166.02,2826.02 2148.54,2826.02 2099.57,2875
GND on SIG1 "GND_L01_P019" (solid, pour order 19): 1250,3050 1250,3270 1930,3270 1980,3220 2115,3220 2152.2,3182.8 2150,3180.59 2150,3050
11V1_F5 on SIG1 "11V1_F5_L01_P018" (solid, pour order 18): 2445,3105 2149.57,3105 2148.54,3103.98 2150,3102.52 2150,3050 1250,3050 1250,2875 2099.57,2875 2149.57,2825 2445,2825
11V1_F4 on SIG1 "11V1_F4_L01_P017" (solid, pour order 17): 1249.92,3495.75 1958.58,3495.75 2044.33,3410 2445,3410 2445,3116.89 2152.2,3116.89 2152.2,3182.8 2115,3220 1980,3220 1930,3270 1250,3270
SW on SIG1 "SW_L01_P001" (solid, pour order 1): 5562.17,4329.72 5262.17,4329.72 5262.17,4414.72 4992.17,4414.72 4992.17,4469.72 4993.05,4470.61 5071.78,4470.61 5071.78,4484.33 5082.17,4494.72 5562.17,4494.72
GND on SIG1 "GND_L01_P002" (solid, pour order 2): 5217.17,4499.72 5112.17,4499.72 5112.17,4522.36 5065,4569.52 5067.17,4571.69 5067.17,4974.72 5747.17,4974.72 5747.17,3599.72 5587.17,3599.72 5587.17,4529.72 5327.17,4529.72 5297.17,4559.72 5217.17,4559.72
NetL1_1 on SIG1 "NETL1_1_L01_P004" (solid, pour order 4): 5562.17,4095.16 5216.73,4095.16 5216.73,4179.29 5297.17,4259.72 5562.17,4259.72
GND on SIG1 "GND_L01_P005" (solid, pour order 5): 5057.17,4144.72 5057.17,4194.72 5072.17,4209.72 5072.17,4286.87 5090.65,4325.04 5090.65,4386.19 5167.54,4386.19 5167.54,4303.26 5144.67,4282.22 5117.17,4144.72 5067.17,4144.72
11V1+ on SIG1 "11V1+_L01_P006" (solid, pour order 6): 5562.17,3599.72 5562.17,4079.72 5217.17,4079.72 5217.17,4029.72 5247.17,3999.72 5247.17,3599.72
NetCvcc_1 on SIG1 "NETCVCC_1_L01_P007" (solid, pour order 7): 5010.51,4249.72 5053.82,4249.72 5053.82,4284.09 5090.65,4320.92 5090.65,4372.41 5014.85,4372.41 5010.51,4368.07
GND on SIG1 "GND_L01_P008" (solid, pour order 8): 4976.18,4023.92 4977.17,4022.94 4977.17,3929.72 4973.33,3929.72 4968.01,3924.41 4968.01,3869.05 4953.67,3869.05 4933.32,3848.71 4933.32,3790.74 4961.47,3790.74 4982.17,3770.04 4982.17,3669.41 5066.93,3669.41 5067.17,3669.64 5067.17,3729.72 5137.17,3729.72 5137.17,3599.72 4762.17,3599.72 4762.17,4004.72 4872.17,4004.72 4912.17,4044.72 4912.17,4084.72 5006.98,4084.72 5009.23,4082.47 4992.17,4065.4 4992.17,4039.72
19V on SIG1 "19V_L01_P014" (solid, pour order 14): 5071.78,4470.61 5062.99,4470.61 5062.11,4469.72 4942.17,4469.72 4942.17,4419.72 4887.17,4364.72 4627.17,4364.72 4627.17,4974.72 5060.77,4974.72
11V1+ on SIG2 "11V1+_L04_P043" (solid, pour order 43): 2544.98,3554.98 2744.92,3754.92 2980,3754.92 2980,3580.51 2954.73,3555.24
GND on SIG2 "GND_L04_P037" (solid, pour order 37): 4631.46,3103.98 4631.46,2901.25 4630.2,2900 5530,2900 5530,3098.61 5525,3103.61
11V1_F2 on SIG2 "11V1_F2_L04_P036" (solid, pour order 36): 4335,3103.61 4335,2695 5530,2695 5530,2893.61 4627.55,2893.61 4623.81,2897.35 4623.81,3101.64
11V1_F3 on SIG2 "11V1_F3_L04_P035" (solid, pour order 35): 4335,3110 5525,3110 5525,3310 4825,3310 4745,3390 4335,3390
GND on SIG2 "GND_L04_P034" (solid, pour order 34): 4335,3540 5525,3540 5525,3316.39 4825,3316.39 4745,3396.39 4335,3396.39
GND on SIG2 "GND_L04_P027" (solid, pour order 27): 3393.84,3284.02 3394.82,3285 3780,3285 3780,3755 3395,3755
11V1+ on SIG2 "11V1+_L04_P026" (solid, pour order 26): 2545,2690 2545,3569.72 2969.21,3569.72 2970.71,3571.22 2970,3571.93 2970,3755 3365,3755 3365,3255 3810,3255 3810,3545 4235,3545 4235,2690
11V1_F4 on SIG2 "11V1_F4_L04_P024" (solid, pour order 24): 1250,3270 1249.92,3270.08 1249.92,3495.75 1958.58,3495.75 2044.33,3410 2445,3410 2445,3395 2445,3116.89 2151.59,3116.89 2152.2,3117.5 2152.2,3182.8 2115,3220 1980,3220 1930,3270
GND on SIG2 "GND_L04_P023" (solid, pour order 23): 1250,3056.39 1250,3263.61 1927.35,3263.61 1975.48,3215.48 2110.48,3215.48 2145.81,3180.15 2145.81,3058.6 2143.61,3056.39
11V1_F5 on SIG2 "11V1_F5_L04_P022" (solid, pour order 22): 1250,2875 1250,3050 2150,3050 2150,3102.52 2152.48,3105 2445,3105 2445,2826.02 2148.54,2826.02 2099.57,2875
GND on SIG2 "GND_L04_P021" (solid, pour order 21): 1256.29,2697.31 1255,2698.6 1255,2868.61 2096.92,2868.61 2146.92,2818.61 2445,2818.61 2445,2694.31
GND on SIG2 "GND_L04_P009" (solid, pour order 9): 4762.17,3599.72 5147.17,3599.72 5147.17,4189.72 5057.17,4189.72 5057.17,4144.72 4762.17,4144.72
11V1+ on SIG2 "11V1+_L04_P010" (solid, pour order 10): 5562.17,3599.72 5247.17,3599.72 5247.17,3999.72 5217.17,4029.72 5217.17,4079.72 5562.17,4079.72
GND on SIG2 "GND_L04_P011" (solid, pour order 11): 5587.17,3599.72 5747.17,3599.72 5747.17,4119.72 5587.17,4119.72
GND on SIG2 "GND_L04_P012" (solid, pour order 12): 5072.17,4209.72 5162.17,4209.72 5162.17,4214.72 5192.17,4244.72 5212.17,4244.72 5212.17,4319.72 5237.17,4344.72 5237.17,4974.72 5067.17,4974.72 5067.17,4567.36 5112.17,4522.36 5112.17,4326.87 5072.17,4286.87
19V on SIG2 "19V_L04_P013" (solid, pour order 13): 5071.78,4470.61 5070.89,4469.72 4942.17,4469.72 4942.17,4419.72 4887.17,4364.72 4627.17,4364.72 4627.17,4974.72 5067.17,4974.72
11V1+ on PWR (split plane): 5761.32,5005.03 5765.56,5004.18 5769.65,5002.8 5773.52,5000.89 5777.11,4998.49 5780.35,4995.64 5783.2,4992.4 5785.6,4988.81 5787.51,4984.93 5788.9,4980.85 5789.74,4976.61 5790.02,4972.3 5789.93,4970.87 5789.99,4970.87 5789.9,4970 5789.9,2710.01 5789.94,2709.66 5789.68,2707.09 5788.83,2704.27 5787.45,2701.68 5785.58,2699.41 5783.31,2697.54 5780.72,2696.16 5777.9,2695.3 5775.33,2695.05 5774.98,2695.08 1015,2695.1 1014.99,2695.1 1014.97,2695.1 1014.9,2695.1 1014.49,2695.06 1011.39,2695.36 1007.99,2696.39 1004.85,2698.07 1002.1,2700.33 999.84,2703.08 998.17,2706.21 997.13,2709.62 996.83,2712.74 996.87,2713.16 996.87,2713.17 995.1,4982.7 995.06,4983.06 995.31,4986.17 996.12,4989.57 997.46,4992.8 999.29,4995.78 1001.56,4998.44 1004.22,5000.71 1007.2,5002.54 1010.43,5003.88 1013.83,5004.69 1016.48,5004.9 5754.5,5004.9 5754.54,5004.91 5754.58,5004.9 5756.49,5005.1 5757.97,5005.25
GND on GND (split plane): 5761.32,5005.03 5765.56,5004.18 5769.65,5002.8 5773.52,5000.89 5777.11,4998.49 5780.35,4995.64 5783.2,4992.4 5785.6,4988.81 5787.51,4984.93 5788.9,4980.85 5789.74,4976.61 5790.02,4972.3 5789.93,4970.87 5789.99,4970.87 5789.9,4970 5789.9,2710.01 5789.94,2709.66 5789.68,2707.09 5788.83,2704.27 5787.45,2701.68 5785.58,2699.41 5783.31,2697.54 5780.72,2696.16 5777.9,2695.3 5775.33,2695.05 5774.98,2695.08 1015,2695.1 1014.99,2695.1 1014.97,2695.1 1014.9,2695.1 1014.49,2695.06 1011.39,2695.36 1007.99,2696.39 1004.85,2698.07 1002.1,2700.33 999.84,2703.08 998.17,2706.21 997.13,2709.62 996.83,2712.74 996.87,2713.16 996.87,2713.17 995.1,4982.7 995.06,4983.06 995.31,4986.17 996.12,4989.57 997.46,4992.8 999.29,4995.78 1001.56,4998.44 1004.22,5000.71 1007.2,5002.54 1010.43,5003.88 1013.83,5004.69 1016.48,5004.9 5754.5,5004.9 5754.54,5004.91 5754.58,5004.9 5756.49,5005.1 5757.97,5005.25

## Other copper
SIG1:
  pour cut-out: 1625,4062.51 1625,3936.52 2405,3936.52 2405,4065.72
  pour cut-out: 2430,4670 2430,3985 2290,3985 2290,4670
  pour cut-out: 1739.5,4657.28 1740,4656.78 1600.5,4709.5 1600.5,3985.5 1600,3985 1740,3985
  pour cut-out: 2565,3575 2545,3555 2545,3425 2520,3425 2460,3485 2544.72,3569.72 2545,3569.72
  text "BOOT" at 2400.44,4920 h60 r270
  text "RESET" at 1629.56,4808.19 h60 r90
  text "C3" at 1224.67,4730 h45 r90
  text "C10" at 3145.65,4678.26 h45
  text "C7" at 3743.79,4667.75 h45
  text "C8" at 4218.79,4667.79 h45
  text "C9" at 2634.71,4615 h45 r90
  text "U2" at 1224.67,4610 h45 r90
  text "C1" at 1317.08,4523.73 h45
  text "C2" at 1412.08,4523.73 h45
  text "R1" at 1505,4520 h45
  text "R13" at 3399.67,4490 h45 r90
  text "R7" at 4000,4490 h45 r90
  text "R9" at 4465,4485 h45 r90
  text "R11" at 2950,4480 h45 r90
  text "PWR" at 1295,4435 h45 r90
  text "U9" at 2625,4410.33 h45
  text "C4" at 1224.71,4405 h45 r90
  text "U10" at 3090,4405.33 h45
  text "U8" at 4155,4395.33 h45
  text "U7" at 3678.79,4392.79 h45
  text "R2" at 1500,4360 h45 r90
  text "R6" at 3764.67,4340 h45 r90
  text "R8" at 4234.67,4340 h45 r90
  text "R10" at 2714.67,4335 h45 r90
  text "R12" at 3165,4335 h45 r90
  text "R3" at 1499.67,4270 h45 r90
  text "U13" at 2680,4190.33 h45
  text "U12" at 4253.79,4187.79 h45
  text "U14" at 3148.79,4182.79 h45
  text "U11" at 3733.79,4182.79 h45
  text "BLINK" at 1295,4160 h45 r90
  text "R4" at 1450,3950 h45 r90
  text "C12" at 4255,3925.29 h45
  text "C13" at 2680,3920.33 h45
  text "C14" at 3155,3920.29 h45
  text "C11" at 3740,3920.29 h45
  text "R5" at 1449.67,3850 h45 r90
  text "C15" at 1869.67,3815 h45 r90
  text "C17" at 2169.71,3815 h45 r90
  text "C19" at 2524.71,3760 h45 r90
  text "U5" at 1904.67,3755 h45 r90
  text "U4" at 1604.67,3750 h45 r90
  text "U6" at 2244.67,3750 h45 r90
  text "C5" at 1129.67,3740 h45 r90
  text "U3" at 1279.67,3735 h45 r90
  text "C18" at 2169.67,3670 h45 r90
  text "C16" at 1869.67,3665 h45 r90
  text "C4" at 1230,3590.29 h45
SIG2:
  pour cut-out: 2559.72,3569.72 2545,3555 2545,3569.72

## Silkscreen, mask and mechanical layers (free items; w line width, h text height)
Mechanical 1:
  lines w10: 1014.98,5025 5754.5,5025 ; 1017.32,5025 ccw(c1017.32,4982.68) 975,4982.68 976.77,2713.16 ccw(c1014.93,2713.16) 1014.93,2675 1015,2675 5774.98,2674.99 ccw(c5774.98,2710.01) 5810,2710.01 5810,4970 ccw(c5757.02,4972.3) 5754.49,5025.28

## Text inside footprints (layer, text, board x,y; h text height)
U1: Mechanical 13 "ANTENNA" at 1837.32,4866.93 h50
U3: Mechanical 13 "*" at 1364.37,3803.5 h50 r270
VIN: Mechanical 1 "PCB EDGE" at 990.83,4423.46 h11.81 r270